# Altium PCB TIDA050024.PcbDoc (part 2 of 3) (continued)
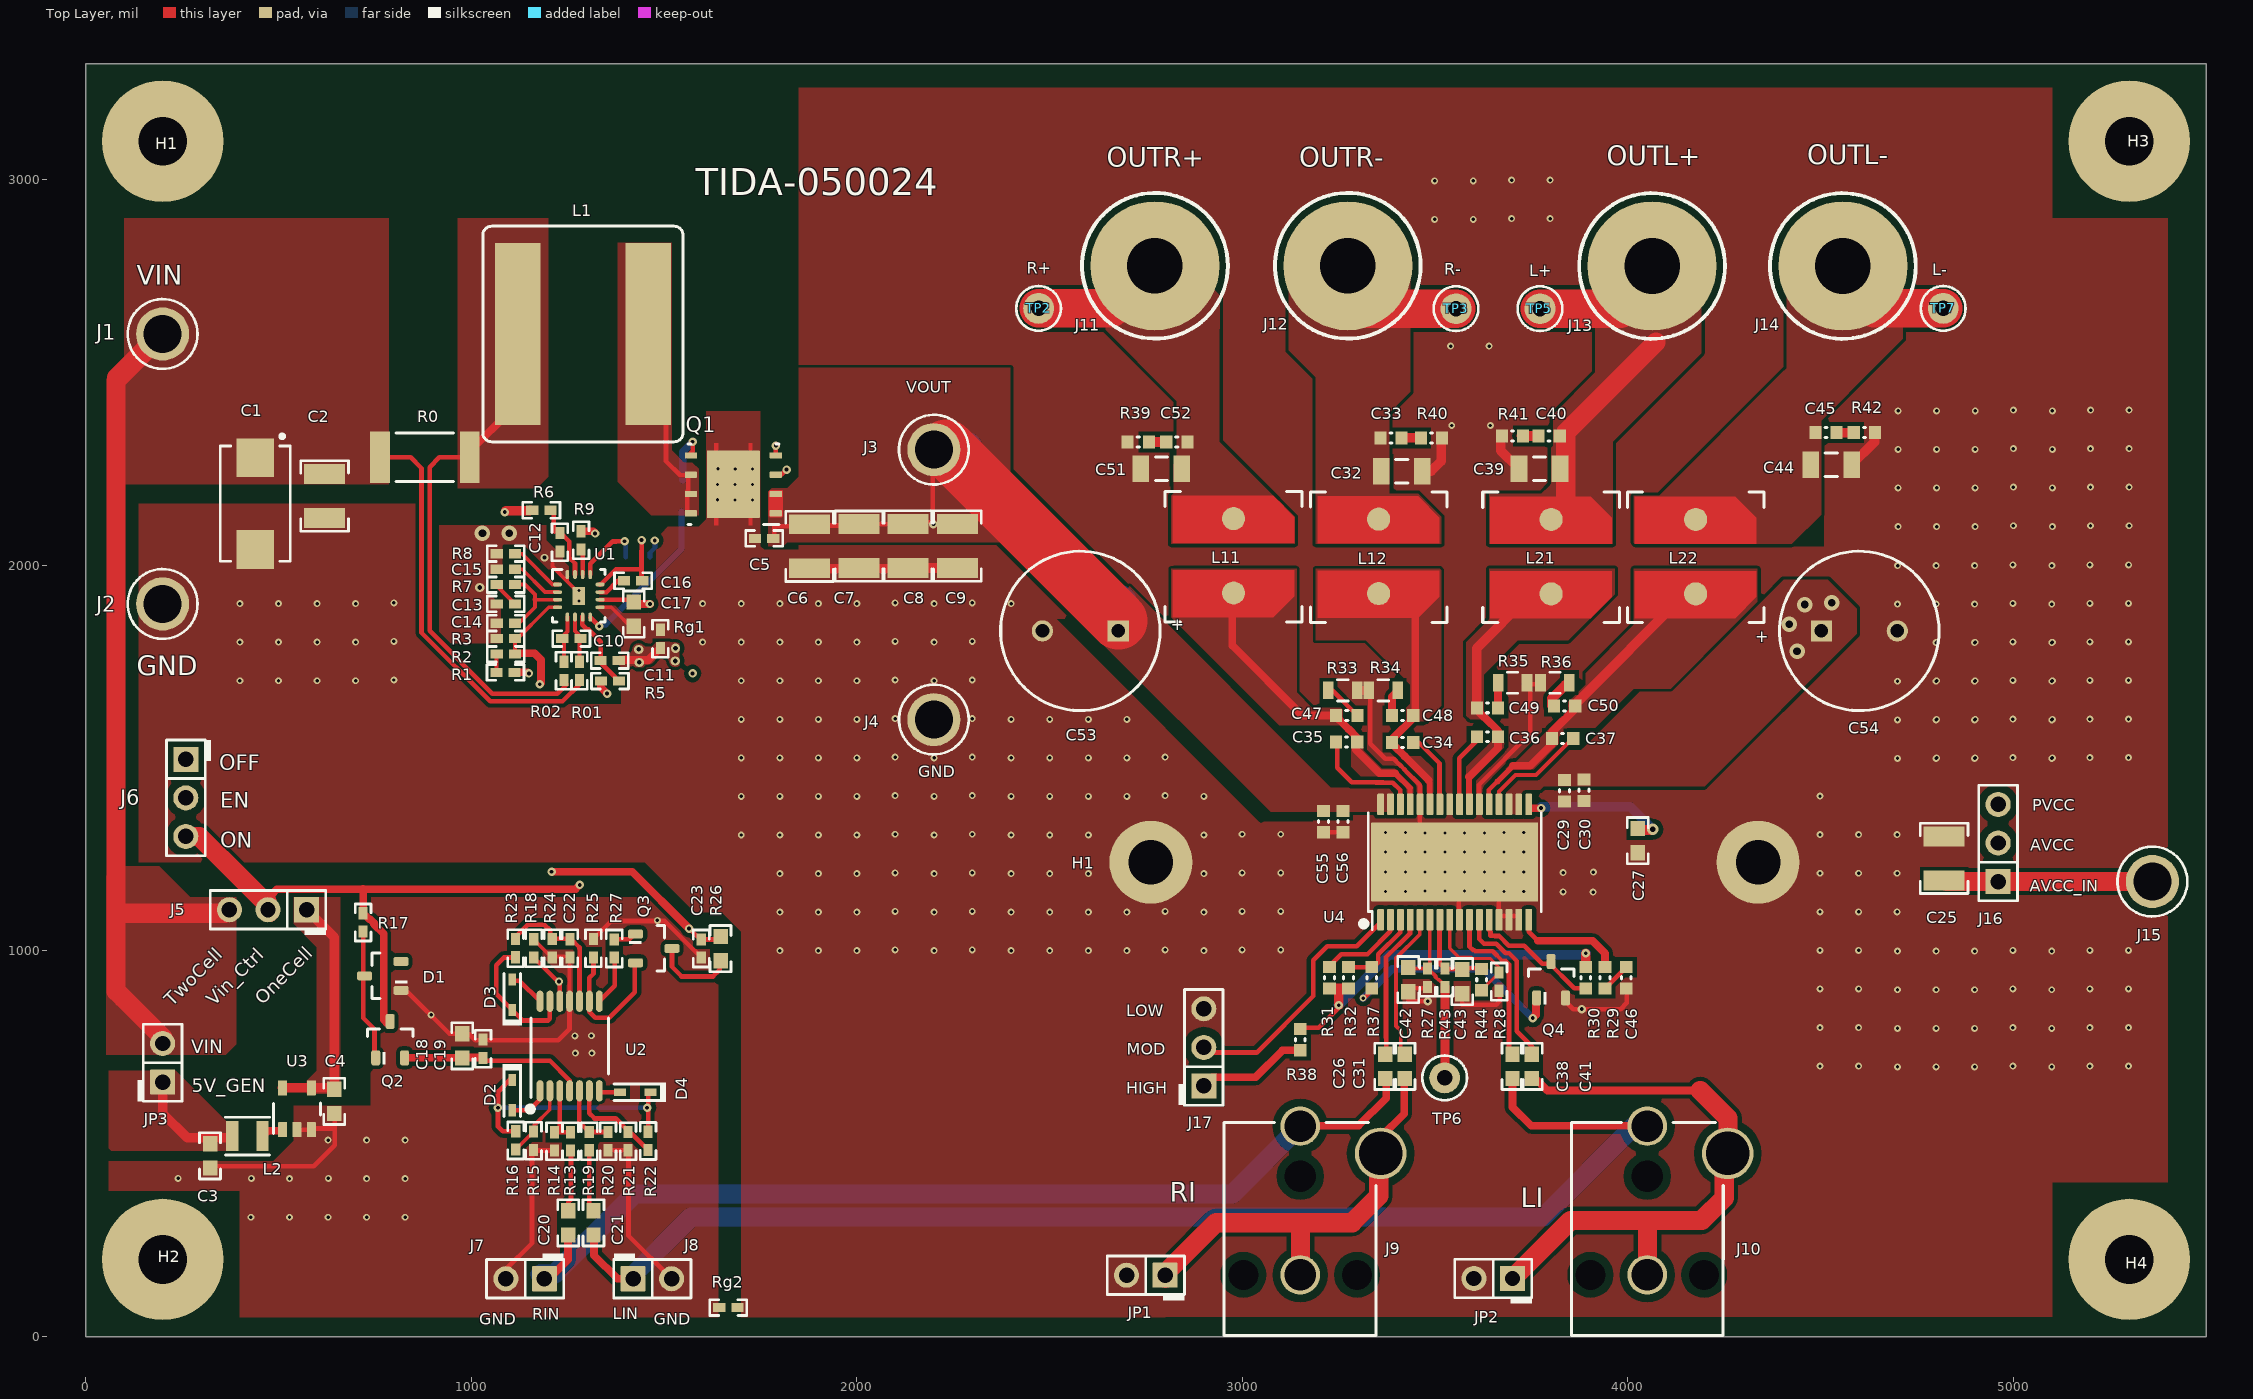
[diagram p0: Top Layer view]
## Nets (pads, with @x,y where several pads share a name; then routed paths per layer and width w, separated by ;. In a path a pad name is that pad's centre, name@x,y a point inside that pad or via, vN(x,y) a via of type N, cw(c..) or ccw(c..) an arc to the next point about the centre after c; other vN are vias at no path point) (continued)
  Top Layer w15: 3396.41,1460.57 3434.59,1422.4
  Top Layer w20: L11.1@2973.81,1916.21 2973.81,1792.34 3155.58,1610.57 C47.2@3243.01,1610.57 3243.01,1607.79 C47.2@3245.45,1605.35 ; C47.2@3244.64,1605.35 C47.2@3245.45,1605.35 ; C47.2@3246.81,1605.35 C47.2@3245.45,1605.35 ; C35.1@3295.58,1544.15 3294.66,1543.23 3294.66,1521.93 3355.6,1460.99 3384.57,1460.99 ; C35.1@3297.79,1542.04 3297.79,1553.21 3275.16,1575.84 3274.93,1575.84 3264.38,1586.38 C47.2@3245.45,1605.35 ; 3375.57,1460.57 3396.41,1460.57
OUTR+: C51.1 C52.1 J11.1 L11.2 TP2.1 | length 347.7
  Top Layer w100: TP2.1@2471.45,2666.3 2659.06,2666.3 2769.65,2776.89 J11.1@2773.39,2776.89
OUTR-: C32.1 C33.1 J12.1 L12.2 TP3.1 | length 364.4
  Top Layer w100: J12.1@3262.43,2748.59 3262.43,2682.94 3279.73,2665.65 3350.35,2665.65 TP3.1@3554.07,2665.65
PGOOD: R9.2 U1.14 | length 49.9
  Top Layer w12: U1.14@1289,1975.96 R9.2@1289,2025.82
PLIMIT: C42.2 R27.2@3480.57,954.19 R43.1 TP6.1 U4.6 | length 499
  Top Layer w10: C42.2@3430.57,958.13 3428.56,956.12 3428.56,955.33 3429.7,954.19 R27.2@3480.57,954.19 ; U4.6@3485.77,1090.66 3485.77,955.18 3483.02,952.43 3500.76,934.69 3500.76,932.7 3508.02,925.45 3510.01,925.45 3525.88,909.57 R43.1@3525.88,907.32
  Top Layer w23: TP6.1@3525.57,668.47 R43.1@3525.57,906.95
  Top Layer w25: TP6.1@3524.86,667.76 TP6.1@3525.57,668.47
PVCC: C5.1 C6.1 C7.1 C8.1 C9.1 C29.2 C30.2 C53.1 C54.1 C55.2 C56.2 J3.1 J16.3 Q1.1 Q1.2 R1.2 R30.1 R31.2 R32.1 R38.2 U4.18 U4.19 U4.31 U4.32 | length 5582
  Top Layer w12: C5.1@1784.48,2069.03 1786.34,2070.89 1786.34,2101.32 1877.53,2101.32 1879.58,2103.38 2002.86,2103.38 2004.04,2102.2 C7.1@2008.88,2107.05 ; C7.1@2005.85,2107.05 C7.1@2008.88,2107.05 ; 2069.91,2107.24 2009.07,2107.24 C7.1@2008.88,2107.05 ; J3.1@2198.98,2294.8 2196.9,2292.73 2196.9,2112.01 2133.73,2112.01 2128.77,2107.05 C7.1@2008.88,2107.05 ; R38.2@3142.24,800.95 3198.17,800.95 3250.1,852.89 v2(3250.1,859.29)
  Top Layer w20: R1.2@1112.63,1722.61 v2@1146.76,1722.61
  Top Layer w25: R31.2@3231.37,904.23 3232.59,903.01 R32.1@3275.57,903.01 ; 3249.8,897.77 3249.8,859.59 v2(3250.1,859.29) ; v2(3890.5,993.96) 3890.5,962.55 R30.1@3891.16,961.9
  Top Layer w100: J3.1@2198.3,2302.64 J3.1@2232.25,2302.64
  Top Layer w150: J3.1@2232.25,2302.64 C53.1@2678.43,1856.46
  Signal Layer 1 w12: v2(1574.25,1719.67) 1570,1723.92 1570,1961.44 1716.1,2107.54 v2@2196.56,2107.54
  Signal Layer 1 w25: v2(3890.5,993.96) 3989.56,1093.01 3989.56,1323.75 4171.47,1505.67 4179.83,1505.67
  Signal Layer 1 w50: 4180.43,1508.03 4190.38,1508.03 4192.17,1509.83 4501.57,1509.83 ; C54.1@4501.57,1830 4501.57,1509.83 ; J16.3@4958.56,1385.17 4914.08,1429.64 4581.77,1429.64 4501.57,1509.83
  Signal Layer 2 w12: v2@1149.21,1721.63 1152.47,1718.38 1572.96,1718.38 v2(1574.25,1719.67)
  Bottom Layer w25: v2@3249.38,860.02 v2(3250.1,859.29) 3380.61,989.8 3886.92,989.8 v2@3891.33,994.21
  Bottom Layer w100: J3.1@2197.2,2299 2279.28,2299 ; 2678.43,1890.08 2678.43,1899.86
  other v2: 1150,1720 2198.87,2106.87
  other v6: 4438.45,1777.29 4418.45,1847.29 4458.37,1898.28 4528.68,1902.89
RIN: C20.1 C26.1 J7.1 J9.3 | length 2579.5
  Top Layer w20: J7.1@1190,150 1201.82,150 1251.31,199.49 C20.1@1251.31,262.52 ; J9.3@3150.57,546.4 3300.98,546.4 3372.81,618.23 3372.81,666.58 C26.1@3369.54,669.85
  Bottom Layer w50: J7.1@1179.52,161.35 1214.75,161.35 1423.4,370 2974.17,370 J9.3@3150,545.83
RINN: C31.2 U4.5 | length 383.1
  Top Layer w10: C31.2@3420.57,742.07 3410.87,751.77 3410.87,793.2 3398.7,805.37 3398.7,866.49 3398.87,866.66 3398.87,982.14 3460.18,1043.44 U4.5@3460.18,1090.66
RINP: C26.2 U4.4 | length 371
  Top Layer w12: C26.2@3372.27,747.01 3372.87,747.61 3372.87,775.31 3372.57,775.61 3372.57,983.18 3434.59,1045.19 U4.4@3434.59,1090.66 ; C26.2@3372.82,747.56 C26.2@3372.82,748.85
SW: L1.2 Q1.6 Q1.7 Q1.8 | length 519.9
  Top Layer w12: L1.2@1459.29,2600 1505.3,2554 1505.3,2270.24 1541.77,2233.76 1562.25,2233.76 1562.82,2234.33 1562.82,2194.87 1560.53,2192.58 1560.53,2141.67 1563.39,2138.81 Q1.8@1563.39,2138.24
SW1: C16.1 Q1.4 U1.12 | length 794.8
  Top Layer w12: U1.12@1334.28,1950.37 1335.86,1950.37 1375.7,1990.2 1439.91,1990.2 1440.22,1989.9 ; C16.1@1441.72,1970.06 1441.72,2037.75 ; C16.1@1441.97,1962.8 v2(1441.97,2065.45) ; v2@1789.72,2309.63 1790.04,2309.31 Q1.4@1790.04,2285
  Signal Layer 1 w15: v2(1441.97,2065.45) 1441.97,2126.94 1619.13,2304.1 1782.81,2304.1 v2@1783.85,2305.14
  other v2: 1790.5,2310.8
V+: C18.1 C19.1 Q2.2 U2.4 | length 468.1
  Top Layer w12: C19.1@1038.96,715.23 1204.58,715.23 1254.95,664.86 U2.4@1254.95,638.67 ; U2.4@1255.35,637.7 U2.4@1256.97,637.7
  Top Layer w20: Q2.2@827.4,722.76 980.94,722.76 981.97,723.79 C19.1@1030.4,723.79
VCC: C17.1 R9.1 U1.10 | length 618.6
  Top Layer w12: U1.10@1334.28,1911 1423.43,1911 C17.1@1434.59,1899.84
  Top Layer w20: R9.1@1285,2088.62 1316.97,2088.62 v2@1320.06,2085.53 ; C17.1@1434.59,1899.84 1464.19,1899.84 1464.33,1899.69 v2@1464.77,1899.69
  Signal Layer 1 w12: v2@1319.67,2082.98 1320.02,2082.64 1320.67,2082.64 v2(1321.4,2082.64)
  Signal Layer 1 w20: v2@1319.67,2082.98 1319.83,2082.98 1463.41,1939.4 1463.41,1939.9 1320.67,2082.64 v2@1319.89,2083.43 ; v2(1463.41,1899.79) 1463.41,1938.28
VIN: C1.1 C2.1 J1.1 J5.3 JP3.2 R0.1 R01.2 | length 3496.9
  Top Layer w12: R0.1@748.86,2280 843.28,2280 871.24,2252.04 871.24,1825.62 1049.67,1647.18 1236.83,1647.18 R01.2@1281.37,1691.72 ; R01.2@1280.24,1699.26 R01.2@1280.61,1698.89
  Top Layer w20: 85.61,868.74 86.96,867.38 ; JP3.2@200,750 JP3.2@200,752.09
  Top Layer w50: 78.74,1108.44 78.74,2478.74 ; J1.1@197.49,2605.8 197.49,2603.57 80.45,2486.53 80.45,2480.45 J1.1@200,2600 J1.1@200,2555.66 ; JP3.2@201.1,774.68 80.03,895.76 79.17,895.76 79.17,1097.47 361.86,1097.47 J5.3@372.83,1108.44
Vin_ctrl: J5.2 J6.3 Q2.3 R5.2 R17.2 | length 2126.7
  Top Layer w20: J5.2@473.18,1106.94 473.18,1146.53 482.27,1146.53 495.91,1160.16 720.03,1160.16 ; 719.32,1161.09 720.03,1160.38 720.03,1160.16 ; Q2.3@783.21,812.04 773.06,822.2 773.06,1044.62 747.84,1069.83 747.84,1072.78 738.47,1082.15 735.52,1082.15 R17.2@720.03,1097.64 720.03,1160.16 ; v2(1281.68,1171.4) 1270.44,1160.16 720.03,1160.16 ; R5.2@1336.21,1696.98 1336.21,1683.8 v2(1352.47,1667.53)
  Top Layer w50: J6.3@260.09,1297.08 295.2,1297.08 404.18,1188.09 J5.2@470.39,1121.88 ; J5.2@470.39,1128.73 J5.2@470.39,1121.88 ; J5.2@471.21,1109.28 471.21,1121.06 J5.2@470.39,1121.88 ; J5.2@476.29,1099.89 470.39,1105.78 J5.2@470.39,1121.88
  Signal Layer 1 w20: v2(1281.68,1171.4) 1281.68,1172.78 1351.91,1243.01 v2@1351.91,1670.16
"Vin_one cell": C3.1 JP3.1 L2.1 | length 293.8
  Top Layer w25: JP3.1@200,670 200,579.15 263.42,515.72 374.17,515.72 L2.1@375.93,517.48
pads on no net: D1.2 H1.1@200,3100 H2.1 H3.1 H4.1 J9.M1 J9.M2 J9.M3 J10.M1 J10.M2 J10.M3 U4.33@3550.57,1230.57

## Polygon pours and split planes (outlines as drawn)
PVCC on Top Layer "Top Layer-No Net 7" (solid, remove dead copper, pour order 18): 2707.36,1945.27 3229.27,1423.79 3377.35,1423.79 3390.57,1410.57 3390.57,1366.57 3384.57,1360.57 3110.57,1360.57 3052.48,1360.57 2851.23,1561.82 2587.57,1825.48
OUTPR on Top Layer "Top Layer-No Net 9" (solid, pour order 22): 2815.71,1990.24 2816.04,1990.57 3140.57,1990.57 3140.57,1670.57 3175.57,1635.57 3180.57,1630.57 3240.57,1630.57 3255.57,1630.57 3260.57,1625.57 3260.57,1590.57 3255.59,1585.59 3150.48,1585.59 3100.59,1585.59 3100.57,1585.57 3095.57,1585.57 2815.57,1865.57 2815.72,1865.72 2815.72,1990.24 2815.72,1990.26 2816.03,1990.56
OUTNR on Top Layer "Top Layer-No Net 10" (solid, remove dead copper, pour order 24): 3190.57,1990.57 3515.57,1990.57 3515.57,1595.57 3425.57,1595.57 3425.57,1630.57 3435.57,1640.57 3435.57,1660.57 3435.57,1690.57 3320.57,1805.57 3190.57,1805.57
OUTPL on Top Layer "Top Layer-No Net 11" (solid, remove dead copper, pour order 26): 3965.46,1990.78 3640.78,1990.78 3640.57,1860.57 3580.57,1800.57 3580.57,1610.57 3590.57,1600.57 3625.57,1600.57 3625.57,1716.24 3714.69,1805.36 3845.14,1805.36 3965.57,1925.57
OUTNL on Top Layer "Top Layer-No Net 12" (solid, remove dead copper, pour order 28): 3695.75,1485.57 3705.57,1485.57 3785.57,1565.57 3790.57,1570.57 3845.57,1625.57 3845.57,1645.87 3890.56,1690.86 3890.56,1720.56 4015.57,1845.57 4015.57,1990.57 4335.57,1990.57 4335.57,1910.57 4335.57,1905.57 4280.57,1850.57 4110.57,1680.57 4065.57,1680.57 4015.57,1680.57 3914.48,1579.48 3843.93,1579.48 3820.57,1556.12 3820.57,1530.57 3820.57,1525.57 3762.87,1467.87 3680.63,1467.87 3680.63,1470.46
OUTR+ on Top Layer "Top Layer-No Net 13" (solid, remove dead copper, pour order 30): 2815.57,2055.57 2815.57,2180.57 2821.93,2186.93 2821.9,2261.9 2830.23,2270.23 2830.23,2425.91 2810.57,2445.57 2645.09,2611.06 2645.09,2763.15 2878,2763.15 2940.87,2700.29 2940.57,2525.57 2940.57,2320.57 3050.57,2210.57 3135.57,2125.57 3135.57,2055.57
OUTR- on Top Layer "Top Layer-No Net 14" (solid, remove dead copper, pour order 32): 3190.57,2055.57 3190.57,2487.29 3120.57,2557.29 3119.19,2555.9 3120.57,2557.29 3120.57,2730.57 3205.57,2815.57 3360.57,2815.57 3362.24,2815.57 3432.6,2745.21 3435.57,2742.24 3435.57,2685.57 3435.57,2450.57 3380.57,2395.57 3380.57,2185.57 3455.57,2185.57 3515.57,2125.57 3515.57,2085.57 3515.57,2055.57
OUTL+ on Top Layer "Top Layer-No Net 15" (solid, remove dead copper, pour order 34): 3640.57,2055.57 3640.57,2185.57 3775.57,2185.57 3795.57,2205.57 3800.61,2211.01 3800.57,2305.57 3805.57,2310.57 3805.57,2390.57 3915.57,2500.57 3915.57,2635.57 3915.57,2710.84 3984.05,2779.31 3990.31,2785.57 4190.57,2785.57 4190.57,2550.57 3960.57,2320.57 3960.57,2125.57 3960.57,2055.57
OUTL- on Top Layer "Top Layer-No Net 16" (solid, remove dead copper, pour order 36): 4015.57,2055.57 4015.57,2180.57 4080.57,2180.57 4400.57,2500.57 4411.51,2511.51 4411.51,2677.38 4411.51,2701.26 4517.74,2807.5 4530.92,2820.67 4633.09,2820.67 4712.36,2737.79 4712.36,2587.36 4645.57,2520.57 4500.57,2375.57 4500.57,2055.57
OUTPL on Top Layer "Top Layer-No Net 8" (solid, remove dead copper, pour order 46): 3678.57,1543.57 3678.48,1529.09 3678.48,1527.17 3595.88,1444.57 3593.57,1442.26 3593.57,1386.55 3582.82,1386.55 3580.13,1383.86 3580.51,1384.24 3580.51,1457.24 3580.51,1477.63 3646.98,1544.1 3646.98,1551.38 3648.13,1552.53 3657.09,1543.57
OUTPR on Top Layer "Top Layer-No Net 19" (solid, remove dead copper, pour order 48): 3313.6,1530.53 3313.63,1523.11 3313.63,1520.57 3321.18,1513.02 3361.24,1472.96 3397.99,1472.96 3443.73,1427.26 3443.73,1388.38 3426.99,1388.38 3426.84,1415.78 3426.84,1418.45 3394.7,1450.59 3309.9,1450.59 3282.12,1478.15 3282.12,1530.13 3313.2,1530.13
OUTNR on Top Layer "Top Layer-No Net 20" (solid, remove dead copper, pour order 50): 3403.15,1543.23 3403.15,1536.81 3426.57,1513.38 3434.38,1505.58 3462.92,1505.58 3494.67,1473.82 3494.67,1391.5 3478.62,1391.5 3478.19,1391.94 3478.19,1433.14 3387.76,1524.01 3373.66,1523.79 3373.66,1542.88 3374.09,1543.31
AGND on Top Layer "AGND_L01_P062" (solid, remove dead copper, pour order 62): 1200,1990.03 1135.15,2055.04 1084.94,2055.04 1079.95,2050.05 1080.51,2049.49 1080.51,1980.67 1051.89,1980.67 1040.85,1969.64 1040.85,1933.08 1077.04,1896.9 1077.04,1798.06 917.26,1798.06 917.26,2104.32 1194.65,2104.32 1194.97,2065.12 1288.09,1972 1288.09,1922.35 1220.42,1990.03
VIN on Top Layer "VIN_L01_P070" (solid, remove dead copper, pour order 70): 100,2900 400,2900 786.13,2900 786.13,2210 100,2210
NetL1_1 on Top Layer "NETL1_1_L01_P072" (solid, remove dead copper, pour order 72): 1200,2900 1200,2230 1170,2200 965.68,2200 965.68,2900
SW on Top Layer "SW_L01_P074" (solid, remove dead copper, pour order 74): 1380,2836.77 1520,2836.77 1520,2298.93 1547.92,2271.01 1568.99,2271.01 1590,2250 1590,2130 1466.91,2130 1380,2216.91
PVCC on Top Layer "PVCC_L01_P080" (solid, remove dead copper, pour order 80): 1820,2200 1850,2230 1850,2512 2398.52,2512 2398.52,2060 1820,2060 1810,2050 1770,2050 1770,2190 1780,2200
AGND on Top Layer "AGND_L01_P082" (solid, remove dead copper, pour order 82): 740,50 1640.91,50 1640.91,1139.14 740,1139.14
GND on Top Layer "GND_L01_P086" (solid, remove dead copper, pour order 86): 910,2160 930,2140 930,1790 950,1770 1010,1770 1030,1750 1030,1660 1050,1640 1388.99,1640 1388.99,1836.26 1480,1927.27 1480,2070 1510,2100 1590,2100 1610,2120 1610,2400 1750,2400 1750,2050 1760,2040 2338.27,2040 2798.27,1580 2800,1580 2800,50 1700,50 1700,1050 1650,1100 1580,1100 1450,1230 138.09,1230 138.09,2160
PVCC on Top Layer "PVCC_L01_P088" (solid, remove dead copper, pour order 88): 3724.16,1354 3724.54,1409.53 3733.37,1418.37 3773.08,1418.24 3781.57,1426.73 4198.82,1426.73 4198.82,1427.41 4593.47,1822.06 4593.47,1888 4518.55,1962.91 4403.61,1962.91 4113.37,1672.67 4030.75,1672.67 3878.7,1520.63 3847.63,1520.56 3771.97,1445.2 3769.42,1442.57 3716.72,1442.68 3683,1408.96 3683,1354
GND on Top Layer "GND_L01_P090" (solid, remove dead copper, pour order 90): 1850,3238.85 5100,3238.85 5100,2900 5400,2900 5400,400 5100,400 5100,51.51 1850,51.51
VIN on Top Layer "VIN_L01_P094" (solid, remove dead copper, pour order 94): 80.62,1219.53 190.95,1219.52 271.39,1139.08 390.5,1139.08 390.5,758.2 363.42,731.11 54.31,731.11 54.31,1193.21
"Vin_one cell" on Top Layer "VIN_ONE_CELL_L01_P096" (solid, remove dead copper, pour order 96): 60.04,689.72 233.78,689.73 340.06,583.45 364.85,558.66 364.85,481.38 59.86,481.38
AGND on Top Layer "AGND_L01_P098" (solid, remove dead copper, pour order 98): 60,454.8 487.01,454.83 540.02,507.84 540.02,598.61 759.99,598.61 760.02,50 400,50 400,377.67 60,377.67
5V on Top Layer "5V_L01_P106" (solid, remove dead copper, pour order 106): 540,1140 660,1140 660,636.16 653.84,630 574.24,630 574.24,663.67 599.76,689.18 599.76,1010.24 540,1070
GND on Top Layer "GND_L01_P110" (solid, remove dead copper, pour order 110): 1342.58,1897.07 1371.26,1897.07 1392.81,1875.51 1442.9,1875.51 1442.9,1814.86 1442.47,1814.43 1395.61,1814.43 1395.61,1818.16 1322.14,1891.63 1322.14,1896.76
AGND on Top Layer "AGND_L01_P112" (solid, remove dead copper, pour order 112): 1376.75,1765.24 1391.48,1765.17 1428.4,1802.09 1540,1802.09 1540,1735.81 1389.47,1735.81 1376.73,1748.55
AGND on Signal Layer 1 "AGND_L02_P114" (solid, remove dead copper, pour order 114): 60,1580 480,1580 480,380 60,380
GND on Signal Layer 1 "GND_L02_P100" (solid, remove dead copper, pour order 100): 72.47,1620 643.39,1620 643.39,2073.39 770,2200 1623.79,2200 1623.79,50 5100,50 5100,400 5400,400 5400,2900 5100,2900 5100,3200 400,3200 400,2900 72.47,2900
AGND on Signal Layer 1 "AGND_L02_P068" (solid, remove dead copper, pour order 68): 390,1691.34 810,2110 1276.98,2110 1277.39,2109.59 1489.9,2109.59 1591.91,2007.58 1591.91,50 390,50
AGND on Signal Layer 1 "AGND_L02_P060" (solid, remove dead copper, pour order 60): 1000.32,2090.54 1020,2110.22 1350.01,2110.22 1476.24,1983.43 1476.24,1812.41 1413.91,1750.08 1050.26,1750.12 1000,1800.37 1000,2090 1020,2110
GND on Signal Layer 2 "GND_L03_P084" (solid, remove dead copper, pour order 84): 400,3200 5100,3200 5100,2900 5400,2900 5400,400 5100,400 5100,100 400,100 400,399.07 399.07,400 100,400 100,2900 400,2900
PVCC on Bottom Layer "PVCC_L04_P092" (solid, remove dead copper, pour order 92): 2184.33,2420 2534.44,2420 2833.1,2121.34 4476.15,2121.34 4605.52,1991.96 4605.52,1797.03 4554.03,1745.53 2654.96,1745.53 2129.01,2271.49 2129.01,2364.68 2167.89,2403.59
GND on Bottom Layer "GND_L04_P104" (solid, remove dead copper, pour order 104): 1590.26,2099.89 1749.74,2099.89 1749.74,2293.04 1739.85,2302.93 1739.85,2303.14 1657.37,2303.14 1657.16,2303.35 1590.24,2236.43 1590.24,2099.95
GND on Bottom Layer "GND_L04_P116" (solid, remove dead copper, pour order 116): 100,2800 500,2800 500,3200 5000,3200 5000,2800 5400,2800 5400,500 5000,500 5000,100 500,100 500,500 100,500

## Keep-outs
Keep-Out Layer:
  text ".Layer_Name" at 577,-858.49 h30

## Other copper
Top Layer:
  pour cut-out: 3055.57,1352.38 3182.57,1352.57 3182.55,1335.67 3055.58,1335.66
  pour cut-out: 4418.69,2049.19 4507.06,2137.56 4507.06,2049.19
  pour cut-out: 2517.35,1861.19 2573.09,1861.19 3075.47,1358.81 3047.6,1330.94
  pour cut-out: 3475.65,1595.57 3515.57,1635.5 3515.57,1595.57

## Silkscreen, mask and mechanical layers (free items; w line width, h text height)
Top Overlay:
  circle w15: c1153.13,590.01 r7
  circle w15: c3314.77,1070.45 r7
  text "OUTL-" at 4464.76,3040.16 h50
  text "OUTL+" at 3944.75,3037.75 h50
  text "OUTR+" at 2648.59,3034.19 h50
  text "OUTR-" at 3147.99,3034.19 h50
  text "TIDA-050024" at 1582.69,2960.43 h70
  text "VIN" at 133.42,2727.25 h50
  text "VOUT" at 2128.36,2448.03 h30
  text "GND" at 132.71,1714.73 h50
  text "OFF" at 346.95,1468.26 h40
  text "GND" at 2160,1450 h30
  text "EN" at 349.02,1371.61 h40
  text "PVCC" at 5047.76,1363.06 h30
  text "ON" at 349.71,1268.06 h40
  text "AVCC" at 5043.16,1259.89 h30
  text "AVCC_IN" at 5042.24,1153.03 h30
  text "OneCell" at 459.07,857.89 h35 r45
  text "Vin_Ctrl" at 334.07,855.9 h35 r45
  text "TwoCell" at 224.97,854.28 h35 r45
  text "LOW" at 2699.12,830.98 h30
  text "VIN" at 274.61,735.21 h35
  text "MOD" at 2699.75,730.94 h30
  text "5V_GEN" at 275.42,633.59 h35
  text "HIGH" at 2698.49,629.65 h30
  text "RI" at 2812.09,350.16 h50
  text "LI" at 3722.43,335.6 h50
  text "RIN" at 1158.06,43.63 h30
  text "LIN" at 1367.63,44.43 h30
  text "GND" at 1020.54,31.18 h30
  text "GND" at 1473.42,30.16 h30
Top Paste:
  text ".Layer_Name" at 577,-858.49 h30
Bottom Solder:
  text ".Layer_Name" at 577,-858.49 h30
M1 Board Outline:
  lines w10: 0,0 5500,0 ; 0,0 0.57,0.57 0.57,3301.39 ; 0,0 5500,0 ; 0,0 0.57,3301.39 ; 0.57,3301.39 5500.19,3301.39 ; 0.57,3301.39 5500.19,3301.39 ; 5500,0 5500.19,0.19 ; 5500,0 5500.19,0.19 ; 5500.19,0.19 5500.19,3301.39 ; 5500.19,0.19 5500.19,3301.39
  text ".Layer_Name" at 577,-858.49 h30
M2 Board Dimensions:
  rectangle: 125,-400 500,-275
  rectangle: 0,-275 125,-150
  lines w7: 0,-275 1000,-275 ; 125,-400 125,-150 ; 250,-400 250,-150 ; 500,-400 500,-150 ; 750,-400 750,-150 ; 0,-400 0,-150 1000,-150 1000,-400 0,-400
  text ".Layer_Name" at 577,-858.49 h30
M3 3D STEP Top:
  text ".Layer_Name" at 577,-858.49 h30
M4 3D STEP Bottom:
  text ".Layer_Name" at 577,-858.49 h30
M5 Assembly Top:
  lines w10: -292,-930.17 6308,-930.17 ; -292,-726.83 6310,-726.83 ; -292,-523.5 -292,-1133.5 3713,-1133.5 6310,-1133.5 6310,-523.5 -291.5,-523.5 -291.5,-1133.5 1284,-1133.5 ; 2173,-1133.5 2173,-523.5 ; 3440,-726.83 3440,-523.5 ; 4280,-726.83 4280,-523.5 ; 4902,-1140 4902,-937.17
  text "COMPONENTS MARKED 'DNP' SHOULD NOT BE POPULATED." at 1153.5,-318.5 h30
  text "ASSEMBLY VARIANT:" at 1153,-434 h30
  text ".VariantName" at 2489,-434 h30
  text "PCB VIEWED FROM TOP SIDE" at -228.5,-655.67 h30
  text "BOARD #:" at 2248,-655.67 h30
  text ".PRJ_Number" at 2793.5,-655.67 h30
  text "REV:" at 3638,-655.67 h30
  text ".PCB_Rev" at 3929.5,-655.67 h30
  text "SVN REV:" at 4476,-655.67 h30
  text ".VersionControl_RevNumber" at 4982,-655.67 h30
  text "TID #:" at 2248,-859 h30
  text ".TID" at 2793.5,-859 h30
  text "PLOT NAME =" at -228.5,-1064.34 h30
  text ".plot_File_Name" at 577,-1064.34 h30
  text "GENERATED    :" at 2250,-1064.34 h30
  text ".Print_Date" at 3119.5,-1064.34 h30
  text ".Print_Time" at 3848.5,-1064.34 h30
  text "TEXAS INSTRUMENTS" at 5113,-1064.34 h30
M6 Assembly Bottom:
  lines w10: -292.5,-727.33 6309.5,-727.33 ; -290.5,-930.67 6309.5,-930.67 ; 1115.5,-1140.5 1115.5,-937.67 ; 1737.5,-727.33 1737.5,-524 ; 2577.5,-727.33 2577.5,-524 ; 3844.5,-1134 3844.5,-524 ; 4733.5,-1134 6309,-1134 6309,-524 -292.5,-524 -292.5,-1134 2304.5,-1134 6309.5,-1134 6309.5,-524
  text "COMPONENTS MARKED 'DNP' SHOULD NOT BE POPULATED." at 6102,-318 h30
  text ".VariantName" at 5358,-434 h30
  text "ASSEMBLY VARIANT:" at 6097,-434 h30
  text ".VersionControl_RevNumber" at 1035.5,-656.17 h30
  text "SVN REV:" at 1541.5,-656.17 h30
  text ".PCB_Rev" at 2088,-656.17 h30
  text "REV:" at 2379.5,-656.17 h30
  text ".PRJ_Number" at 3224,-656.17 h30
  text "BOARD #:" at 3769.5,-656.17 h30
  text "PCB VIEWED FROM BOTTOM SIDE" at 6246,-656.17 h30
  text ".TID" at 3224,-859.5 h30
  text "TID #:" at 3769.5,-859.5 h30
  text "TEXAS INSTRUMENTS" at 904.5,-1064.84 h30
  text ".Print_Time" at 2169,-1064.84 h30
  text ".Print_Date" at 2898,-1064.84 h30
  text "GENERATED    :" at 3767.5,-1064.84 h30
  text ".plot_File_Name" at 5440.5,-1064.84 h30
  text "PLOT NAME =" at 6246,-1064.84 h30
M9 Title Sheet:
  drawing of 57 lines, arcs and shapes, not listed
  text "1" at 739.84,8036.5 h30
  text "2" at 3235.5,8036.5 h30
  text "3" at 5724.84,8036.5 h30
  text "4" at 8231.51,8036.5 h30
  text "5" at 10730.5,8036.5 h30
  text "6" at 13235.5,8036.5 h30
  text "A" at -416.5,6893.5 h30
  text "A" at 14383.5,6893.5 h30
  text "B" at -416.5,4513.5 h30
  text "B" at 14383.5,4513.5 h30
  text "C" at -416.5,2138.5 h30
  text "C" at 14383.5,2138.5 h30
  text "PROJECT TITLE:" at 11343.5,277.5 h30
  text ".PRJ_Title" at 11393.5,144.17 h30
  text "DESIGNED FOR:" at 11343.5,-23.5 h30
  text ".PRJ_Customer" at 11393.5,-163.5 h30
  text "D" at -416.5,-231.5 h30
  text "D" at 14383.5,-231.5 h30
  text "FILE NAME:" at 11343.5,-323.5 h30
  text ".PCB_File_Name_No_Path" at 11393.5,-443.5 h30
  text "Texas Instruments (TI) and/or its licensors do not warrant the accuracy or completeness of this specification" at 6374,-605.34 h30
  text "ENGINEER:" at 11343.5,-613.5 h30
  text "LAYOUT BY:" at 12848.5,-613.5 h30
  text "or any information contained therein. TI and/or its licensors do not warrant that this design will meet" at 6329.01,-718 h30
  text ".PRJ_Engineer" at 11393.5,-768.49 h30
  text ".PCB_Layout" at 12899,-768.49 h30
  text "the specifications, will be suitable for your application or fit for any particular purpose, or will operate in" at 6329.01,-830.67 h30
  text ".Layer_Name" at 577,-858.49 h30
  text "ALTIUM DESIGNER VERSION:" at 12848.5,-923.5 h30
  text "an implementation. TI and/or its licensors do not warrant that the design is production worthy. You should" at 6329.01,-943.33 h30
  text "completely validate and test your design implementation to confirm the system functionality for your application." at 6374,-1056 h30
  text ".print_Scale" at 11393.5,-1056.83 h30
  text ".Application_BuildNumber" at 12899,-1056.83 h30
  text "1" at 739.84,-1263.5 h30
  text "2" at 3235.5,-1263.5 h30
  text "3" at 5724.84,-1263.5 h30
  text "4" at 8231.51,-1263.5 h30
  text "5" at 10730.5,-1263.5 h30
  text "6" at 13235.5,-1263.5 h30
M10 Fab Notes:
  drawing of 173 lines, arcs and shapes, not listed
  text "DESIGN INFORMATION" at 12377.02,6201 h30
  text "MIN. TRACK WIDTH:" at 11732.46,6021 h30
  text "8" at 12828.7,6021 h30
  text "MIL" at 12983.46,6021 h30
  text "MIN. CLEARANCE:" at 11732.46,5889 h30
  text "0.2" at 12768.7,5889 h30
  text "mm" at 12983.46,5889 h30
  text "MIN. VIA PAD SIZE:" at 11732.46,5757 h30
  text "24" at 12798.71,5757 h30
  text "MIL" at 12983.46,5757 h30
  text "0.05mm (2MIL)" at 12427.46,5615.29 h30
  text "MINIMUM ANNULAR RING" at 11403.23,5611 h30
  text "EXTERNAL" at 13135.46,5611 h30
  text "PER" at 11603.23,5493 h30
  text "IPC-D-275 CLASS 2 LEVEL C" at 11823.23,5493 h30
  text "MIL, HOLES" at 13311.46,5380.71 h30
  text "+/-" at 12919,5380 h30
  text "+/-" at 13773,5380 h30
  text "REGISTRATION TOLERANCES:" at 11403.23,5375 h30
  text "METAL" at 12603,5375 h30
  text "5" at 13179.2,5375 h30
  text "3" at 14012.2,5375 h30
  text "MIL" at 14128.46,5375 h30
  text "+/-" at 13773,5262 h30
  text "HOLE SIZE TOLERANCE (UNLESS OTHERWISE SPECIFIED):" at 11403.23,5257 h30
  text "3" at 14012.2,5257 h30
  text "MIL" at 14128.46,5257 h30
  text "MATERIAL:" at 11328.46,5047.54 h30
  text "FR-4 High Tg" at 12314.9,4907.21 h30
  text "FR-408" at 11749.46,4898.64 h30
  text "OTHER" at 13237.46,4898.64 h30
  text "X" at 12160,4895 h30
  text "62 MIL (1.6mm) +/-10%" at 12069.56,4735.92 h30
  text "THICKNESS:" at 11403.23,4731.64 h30
  text "X" at 11941.4,4731.64 h30
  text "OTHER" at 13354.46,4731.64 h30
  text "TOLERANCE:" at 11403.23,4573.64 h30
  text "X" at 12242.53,4573.64 h30
  text "ANSI IPC-6012 TYPE 3 CLASS 2" at 12429.48,4573.64 h30
  text "OTHER +/-" at 12429.46,4417.64 h30
  text "BOW & TWIST:" at 11403.23,4260.64 h30
  text "X" at 12242.53,4260.64 h30
  text "ANSI IPC-6012 TYPE 3 CLASS 2" at 12429.48,4260.64 h30
  text "OTHER +/-" at 12429.46,4102.13 h30
  text "DRILLING:" at 11328.46,3963.64 h30
  text "REFERENCE:" at 11403.23,3846.64 h30
  text "X" at 12051.46,3846.64 h30
  text "AS SHOWN" at 12238.46,3846.64 h30
  text "X" at 12952.46,3846.64 h30
  text "NC_DRILL FILES" at 13089.46,3846.64 h30
  text "PTH COPPER THICKNESS:" at 11403.23,3688.64 h30
  text "X" at 12533.46,3688.64 h30
  text "20-30 um" at 12670.46,3688.64 h30
  text "OTHER" at 13387.46,3688.64 h30
  text "BOARD FINISH:" at 11328.46,3529.64 h30
  text "SILKSCREEN:" at 11483.68,3411.64 h30
  text "X" at 12432.46,3411.64 h30
  text "TOP" at 12558.46,3411.64 h30
  text "X" at 12942.46,3411.64 h30
  text "BOTTOM" at 13069.46,3411.64 h30
  text "SILKSCREEN COLOR:" at 11483.68,3244.64 h30
  text "X" at 12431.42,3244.64 h30
  text "WHITE" at 12558.46,3244.64 h30
  text "OTHER" at 13069.46,3244.64 h30
  text "X" at 12562.42,3085.44 h30
  text "GREEN" at 12689.46,3085.44 h30
  text "OTHER" at 13307.46,3085.44 h30
  text "SOLDER RESIST COLOR:" at 11483.68,3074.64 h30
  text "X" at 12562.42,2915.44 h30
  text "MATTE" at 12689.46,2915.44 h30
  text "SEMI-GLOSS" at 13307,2914.8 h30
  text "IMMERSION GOLD (ENIG)" at 12389.46,2726.92 h30
  text "ENEPIG" at 13727,2723.64 h30
  text "SURFACE FINISH:" at 11328.46,2722.64 h30
  text "X" at 12202.51,2722.64 h30
  text "IMM. TIN/SILVER OR EQUIV" at 11658,2565.64 h30
  text "OTHER" at 13089.46,2565.64 h30
  text "ARRAY/PANEL:" at 11328.46,2386.64 h30
  text "CUT AND TRIM PER M1 BOARD OUTLINE" at 12389.46,2382.35 h30
  text "N.C. ROUTE" at 12389.46,2230.64 h30
  text "X" at 13068.46,2230.64 h30
  text "V. SCORE" at 13255.46,2230.64 h30
  text "CERTIFICATION:" at 11328.46,2093.64 h30
  text "MATERIALS AND WORKMANSHIP FOR ALL PCBS" at 12053.46,2093.64 h30
  text "TO MEET OR EXCEED THE REQUIREMENTS OF:" at 12053.46,1995.64 h30
  text "X" at 11679.96,1859.13 h30
  text "ANSI IPC-A-600F CLASS ->" at 11818.96,1859.13 h30
  text "X" at 13458.02,1859.13 h30
  text "2" at 13576.96,1859.14 h30
  text "1" at 13261.96,1857.64 h30
  text "3" at 13930.96,1857.64 h30
  text "X" at 12494.02,1699.64 h30
  text "RoHS" at 12630.96,1699.64 h30
  text "OTHER" at 13275.36,1699.64 h30
  text "PER ORDER" at 13672.42,1699.64 h30
  text "ALL BOARDS MUST MEET OR EXCEED UL94-V0 REQUIREMENTS." at 11356,1534 h30
  text "PCB MUST BEAR THE UL94V-0 UL REGISTERED MATERIAL ID NUMBER" at 11356,1414 h30
  text "ADDITIONAL REQUIREMENTS:" at 11328.46,1240.64 h30
  text "MICROSECTION:" at 11403.23,1125.64 h30
  text "YES" at 12308.96,1125.64 h30
  text "REQUIRED" at 13170.46,969.49 h30
  text "BARE BOARD ELEC. TEST:" at 11403.23,966.64 h30
  text "NONE" at 12708.96,966.64 h30
  text "X" at 13043.46,966.64 h30
  text "PER ORDER" at 13762.46,966.64 h30
  text ".Layer_Name" at 577,-858.49 h30
M11 Gerber Information:
  lines w10: -292,-930.17 6308,-930.17 ; -292,-726.83 6310,-726.83 ; -292,-523.5 -292,-1133.5 3713,-1133.5 6310,-1133.5 6310,-523.5 -291.5,-523.5 -291.5,-1133.5 1284,-1133.5 ; 2173,-1133.5 2173,-523.5 ; 3440,-726.83 3440,-523.5 ; 4280,-726.83 4280,-523.5 ; 4902,-1140 4902,-937.17
  text "ALL ARTWORK VIEWED FROM TOP SIDE" at -228.5,-655.67 h30
  text "BOARD #:" at 2248,-655.67 h30
  text ".PRJ_Number" at 2793.5,-655.67 h30
  text "REV:" at 3638,-655.67 h30
  text ".PCB_Rev" at 3929.5,-655.67 h30
  text "SVN REV:" at 4476,-655.67 h30
  text ".VersionControl_RevNumber" at 4982,-655.67 h30
  text "LAYER NAME =" at -228.5,-858.49 h30
  text "TID #:" at 2248,-859 h30
  text ".TID" at 2793.5,-859 h30
  text "PLOT NAME =" at -228.5,-1064.34 h30
  text ".plot_File_Name" at 577,-1064.34 h30
  text "GENERATED    :" at 2250,-1064.34 h30
  text ".Print_Date" at 3119.5,-1064.34 h30
  text ".Print_Time" at 3848.5,-1064.34 h30
  text "TEXAS INSTRUMENTS" at 5113,-1064.34 h30